# Altium PCB radioboard.PcbDoc (part 9 of 9)
Units mm, origin at the board's own origin, x right, y up, seen from the top; angles counter-clockwise.
Board outline 69.97 x 64.48 mm, 4 copper layers (Top Layer, Signal Layer 1, Signal Layer 2, Bottom Layer), stack 1.56 mm thick; 258 components, 165 nets, 993 pads, 10021 vias.
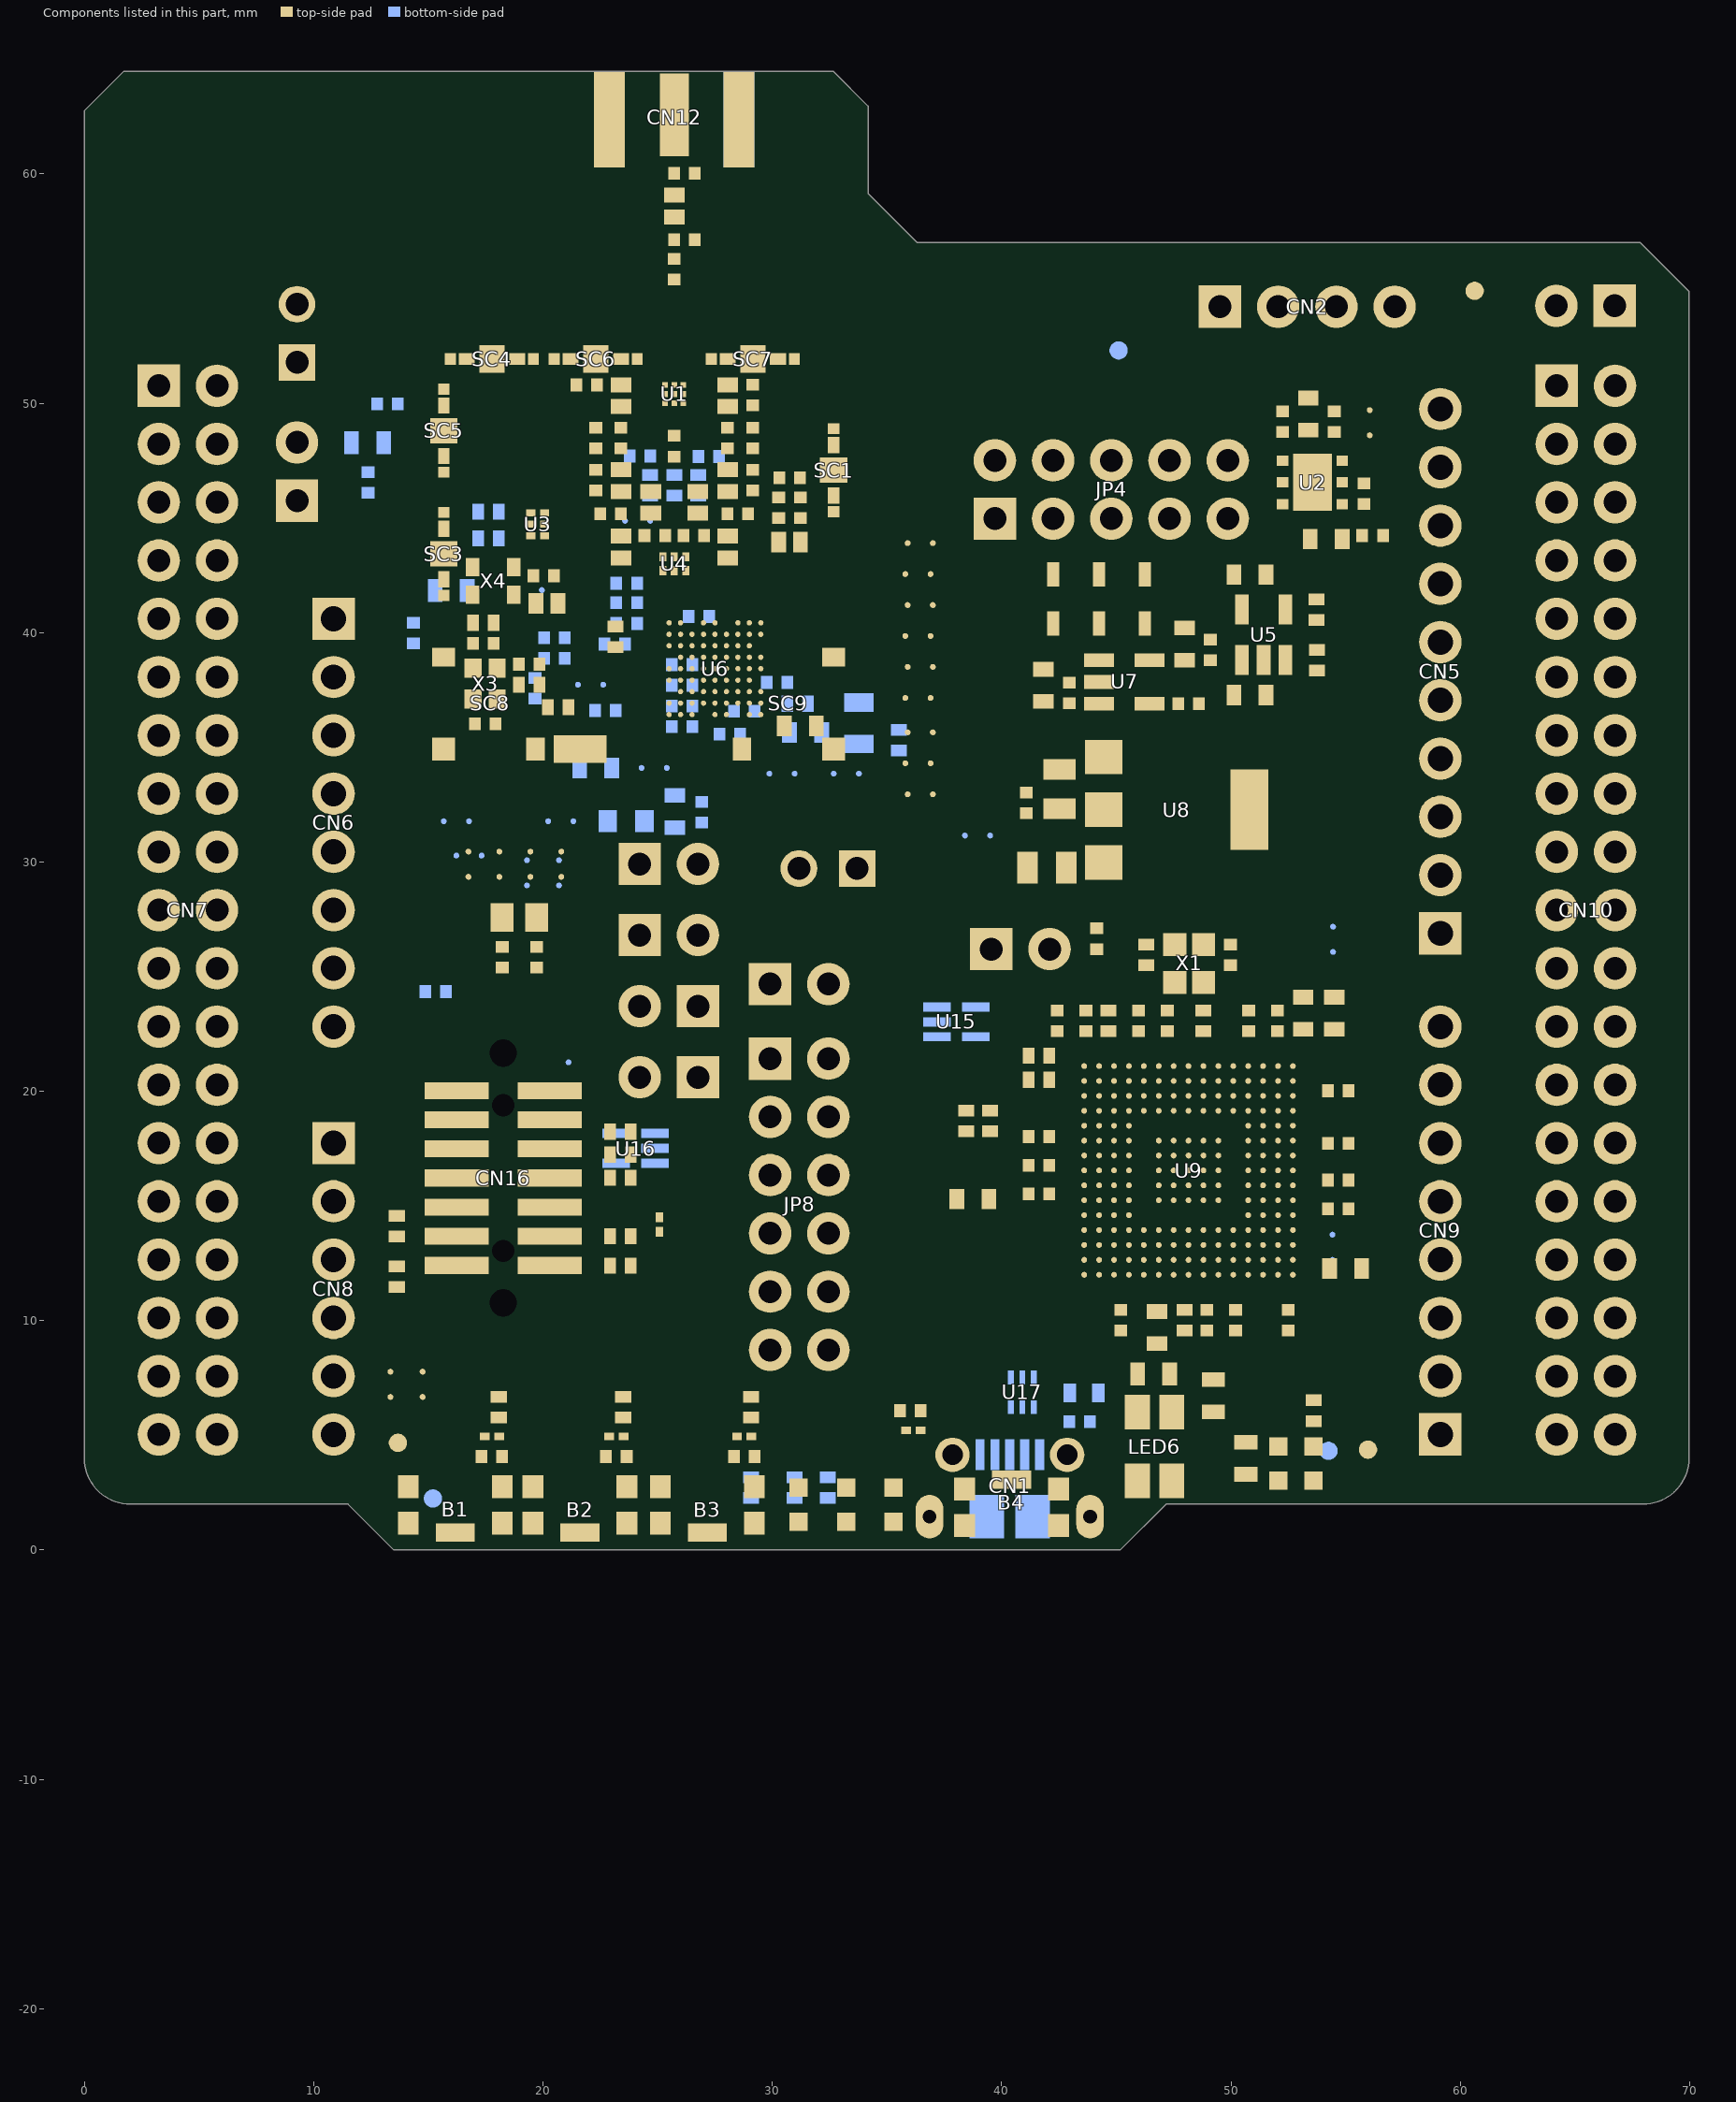
[diagram p11: the components of this part, seen from the top]

## Silkscreen, mask and mechanical layers (free items; w line width, h text height) (continued)
Bottom Overlay:
  drawing of 406 lines, arcs and shapes, not listed
  text "VLXSMPS" at 12.475,57.375 h1.5
  text "CN13" at 10.85,56.025 h1.5
  text "1" at 68.875,53.617 h2
  text "1" at 47.875,53.567 h2
  text "CN4" at 61.275,52.525 h2 r270
  text "GND" at 59.75,52.4 h2 r270
  text "CN2" at 55.025,51.3 h2
  text "1" at 7.9,51.017 h2
  text "1" at 1.98,50.227 h2
  text "2" at 68.93,50.127 h2
  text "JP4" at 46.1,49.2 h2
  text "10" at 62.201,49.059 h2
  text "3" at 1.98,47.687 h2
  text "4" at 68.93,47.587 h2
  text "9" at 61.312,46.519 h2
  text "5" at 1.98,45.147 h2
  text "6" at 68.93,45.047 h2
  text "1" at 8,45.017 h2
  text "8" at 61.312,43.979 h2
  text "I" at 56.9,43.875 h11
  text "1" at 38.425,43.679 h2
  text "JP3" at 11.05,43.2 h1.5
  text "7" at 1.98,42.607 h2
  text "8" at 68.93,42.507 h2
  text "5V_SEL" at 47.95,42.125 h2
  text "7" at 61.312,41.439 h2
  text "9" at 1.98,40.067 h2
  text "1" at 9.6,40.067 h2
  text "10" at 69.692,39.967 h2
  text "IDD_RF" at 7.675,39.5 h1.5 r270
  text "6" at 61.312,38.899 h2
  text "F" at 37.275,38.7 h11
  text "11" at 1.98,37.527 h2
  text "2" at 9.6,37.527 h2
  text "12" at 69.692,37.427 h2
  text "5" at 61.312,36.359 h2
  text "G" at 54.45,36.113 h11
  text "C" at 45.25,35.675 h11
  text "13" at 1.98,34.987 h2
  text "3" at 9.6,34.987 h2
  text "PB0_VDD_TCXO" at 22.3,35 h1.3
  text "14" at 69.692,34.887 h2
  text "CN5" at 56.4,34.15 h2 r270
  text "4" at 61.312,33.819 h2
  text "VDDRF1V55" at 41.325,33.425 h1.3
  text "15" at 1.98,32.447 h2
  text "4" at 9.6,32.447 h2
  text "16" at 69.692,32.347 h2
  text "VDDRF" at 33,31.35 h1.3
  text "3" at 61.312,31.279 h2
  text "17" at 1.98,29.907 h2
  text "5" at 9.6,29.907 h2
  text "18" at 69.692,29.807 h2
  text "CN6" at 12.325,29.7 h2 r270
  text "1" at 22.675,29.1 h2
  text "1" at 35.85,29.092 h2
  text "JP6" at 42.375,28.95 h2
  text "2" at 61.312,28.739 h2
  text "JP5" at 28.35,28.637 h1.5 r270
  text "CN11" at 36,28.1 h1.5 r270
  text "STLK_RST" at 43.75,27.9 h1.3
  text "19" at 1.98,27.367 h2
  text "6" at 9.6,27.367 h2
  text "20" at 69.819,27.267 h2
  text "ALONE" at 34.75,27.113 h1.5
  text "JP2" at 28.375,26.213 h1.5 r270
  text "1" at 60.931,26.199 h2
  text "1" at 29.925,26.15 h2
  text "1" at 22.687,26.025 h2
  text "1" at 38,25.542 h2
  text "21" at 1.98,24.827 h2
  text "7" at 9.6,24.827 h2
  text "22" at 69.819,24.727 h2
  text "JP7" at 34.175,23.175 h2 r270
  text "1" at 28.537,23.062 h2
  text "CN16" at 20.725,22.825 h2
  text "JP1" at 21.7,22.725 h1.5 r270
  text "23" at 1.98,22.287 h2
  text "8" at 9.6,22.287 h2
  text "24" at 69.819,22.187 h2
  text "8" at 61.312,22.135 h2
  text "1" at 28.887,20.837 h2
  text "25" at 1.98,19.747 h2
  text "JP9" at 21.763,19.675 h1.5 r270
  text "26" at 69.819,19.647 h2
  text "7" at 61.312,19.595 h2
  text "1" at 15.65,19.4 h2
  text "2" at 21.775,17.862 h2
  text "27" at 1.98,17.207 h2
  text "1" at 9.6,17.207 h2
  text "28" at 69.819,17.107 h2
  text "6" at 61.312,17.055 h2
  text "DEBUG" at 20.55,15.687 h1.5
  text "29" at 1.98,14.667 h2
  text "2" at 9.6,14.667 h2
  text "30" at 69.819,14.567 h2
  text "5" at 61.312,14.515 h2
  text "JP8" at 26.975,13.625 h2 r270
  text "CN9" at 56.325,12.2 h2 r270
  text "31" at 1.98,12.127 h2
  text "3" at 9.6,12.127 h2
  text "32" at 69.819,12.027 h2
  text "4" at 61.312,11.975 h2
  text "13" at 15.725,11.825 h2
  text "14" at 22.575,11.825 h2
  text "CN8" at 12.4,9.625 h2 r270
  text "33" at 1.98,9.587 h2
  text "4" at 9.6,9.587 h2
  text "34" at 69.819,9.487 h2
  text "3" at 61.312,9.435 h2
  text "35" at 1.98,7.047 h2
  text "5" at 9.6,7.047 h2
  text "36" at 69.819,6.947 h2
  text "2" at 61.312,6.895 h2
  text "USB STLK" at 39.525,5.3 h1.3
  text "37" at 1.98,4.507 h2
  text "6" at 9.6,4.507 h2
  text "38" at 69.819,4.407 h2
  text "1" at 60.931,4.355 h2
  text "E" at 53.787,3.313 h13
  text "CN7" at 6.175,2.325 h2
  text "CN10" at 67.675,2.325 h2
  text "H" at 24.587,2.3 h15
Top Paste:
  region: 33.175,34.425 33.175,36.525 32.325,36.525 32.325,35.5 32.1,35.275 31.075,35.275 31.075,34.425
  region: 32.15,36.4 32.15,35.575 32.025,35.45 31.575,35.45 31.575,36.4
Top Solder:
  rectangle: 1.545,59.365 9.545,61.865
  region: 32.275,36.575 33.225,36.575 33.225,34.375 31.025,34.375 31.025,35.325 32.1,35.325 32.275,35.5
  region: 32.05,35.425 32.175,35.55 32.175,36.425 31.55,36.425 31.55,35.425
Bottom Solder:
  rectangle: 1.545,59.365 9.545,61.865
M1-Board Shape:
  lines w0.1: 0,4 ccw(c2,4) 2,2 11.498,2 13.498,0 45.17,0 47.17,2 67.972,2 ccw(c67.972,4) 69.972,4 69.972,54.877 67.848,57 36.316,57 34.174,59.143 34.174,62.953 32.65,64.477 1.723,64.477 0,62.751 0,4
M5-Top Constraints:
  drawing of 226 lines, arcs and shapes, not listed
  text "IMPEDANCE TABLE    SoC Rx inputs (RFI_N & RFI_P)" at 84.139,123.644 h3
  text "LAYER" at 89.125,118.65 h3
  text "LAYER" at 109.625,118.65 h3
  text "TRACE" at 130.125,118.65 h3
  text "IMPEDANCE" at 241.939,118.669 h3
  text "IMPEDANCE" at 258.939,118.669 h3
  text "TOL." at 277.689,118.636 h3
  text "NET" at 152.275,118.525 h3
  text "SPACING" at 171.775,118.525 h3
  text "SPACING" at 197.025,118.525 h3
  text "SPACING" at 222.3,118.525 h3
  text "(Single ended)" at 242.439,115.919 h2.5
  text "(Differential)" at 260.189,115.919 h2.5
  text "\"GND mm\"" at 221.775,115.675 h3
  text "\"Ref GND\"" at 107.475,115.625 h3
  text "\"Width mm\"" at 127.975,115.625 h3
  text "\"Others Net mm\"" at 193.35,115.6 h3
  text "\"Routing\"" at 87.7,115.525 h3
  text "\"Intra Diff. Pair mm\"" at 166.375,115.525 h3
  text "\"Lenght mm\"" at 147.35,115.35 h3
  text "L2 (Sig_Lay1)" at 105.7,112.375 h3
  text "L1 (Top_Lay)" at 85.75,112.325 h3
  text "+/- 10%" at 276.244,112.279 h3
  text "0.323" at 174.6,112.225 h3
  text "0.323 Min." at 197.15,112.225 h3
  text "Minimum" at 150.075,112.2 h3
  text "0.646 Min. Or Less" at 217.35,112.175 h3
  text "n/a" at 247.969,112.179 h3
  text "0.097" at 130.75,112.125 h3
  text "100 Ohms" at 260.875,112.125 h3
  text "IMPEDANCE TABLE    SoC Tx outputs (L12_1 & L19_1)" at 84.139,106.394 h3
  text "LAYER" at 89.125,101.4 h3
  text "LAYER" at 109.625,101.4 h3
  text "TRACE" at 130.125,101.4 h3
  text "IMPEDANCE" at 241.939,101.419 h3
  text "IMPEDANCE" at 258.939,101.419 h3
  text "TOL." at 277.689,101.386 h3
  text "NET" at 152.275,101.275 h3
  text "SPACING" at 171.775,101.275 h3
  text "SPACING" at 197.025,101.275 h3
  text "SPACING" at 222.3,101.275 h3
  text "(Single ended)" at 242.439,98.669 h2.5
  text "(Differential)" at 260.189,98.669 h2.5
  text "\"GND mm\"" at 221.775,98.425 h3
  text "\"Ref GND\"" at 107.475,98.375 h3
  text "\"Width mm\"" at 127.975,98.375 h3
  text "\"Others Net mm\"" at 193.35,98.35 h3
  text "\"Routing\"" at 87.7,98.275 h3
  text "\"Intra Diff. Pair mm\"" at 166.375,98.275 h3
  text "\"Lenght mm\"" at 147.35,98.1 h3
  text "L2 (Sig_Lay1)" at 105.7,95.125 h3
  text "L1 (Top_Lay)" at 85.75,95.075 h3
  text "0.152 Min." at 197.15,94.975 h3
  text "n/a" at 175.95,94.925 h3
  text "Minimum" at 149.85,94.9 h3
  text "n/a" at 264.85,94.9 h3
  text "0.210" at 130.75,94.875 h3
  text "Lowest" at 245.175,94.875 h3
  text "n/a" at 278.7,94.875 h3
  text "0.152 Min." at 222.2,94.825 h3
  text "IMPEDANCE TABLE    TX path (C110_2 & C113_2  & C130_2 & C133_2)" at 84.139,89.144 h3
  text "IMPEDANCE" at 241.939,84.169 h3
  text "IMPEDANCE" at 258.939,84.169 h3
  text "LAYER" at 89.125,84.15 h3
  text "LAYER" at 109.625,84.15 h3
  text "TRACE" at 130.125,84.15 h3
  text "TOL." at 277.689,84.136 h3
  text "NET" at 152.275,84.025 h3
  text "SPACING" at 171.775,84.025 h3
  text "SPACING" at 197.025,84.025 h3
  text "SPACING" at 222.3,84.025 h3
  text "(Single ended)" at 242.439,81.419 h2.5
  text "(Differential)" at 260.189,81.419 h2.5
  text "\"GND mm\"" at 221.775,81.175 h3
  text "\"Ref GND\"" at 107.475,81.125 h3
  text "\"Width mm\"" at 127.975,81.125 h3
  text "\"Others Net mm\"" at 193.35,81.1 h3
  text "\"Routing\"" at 87.7,81.025 h3
  text "\"Intra Diff. Pair mm\"" at 166.375,81.025 h3
  text "\"Lenght mm\"" at 147.35,80.85 h3
  text "L2 (Sig_Lay1)" at 105.7,77.875 h3
  text "L1 (Top_Lay)" at 85.75,77.825 h3
  text "0.152 Min." at 197.15,77.725 h3
  text "n/a" at 175.95,77.675 h3
  text "Minimum" at 149.85,77.65 h3
  text "n/a" at 264.85,77.65 h3
  text "0.550" at 130.75,77.625 h3
  text "Lowest" at 245.175,77.625 h3
  text "n/a" at 278.7,77.625 h3
  text "0.152 Min." at 222.2,77.575 h3
  text "IMPEDANCE TABLE    TX path before SP3T (C114_2 & C134_2)" at 84.139,71.894 h3
  text "IMPEDANCE" at 241.939,66.919 h3
  text "IMPEDANCE" at 258.939,66.919 h3
  text "LAYER" at 89.125,66.9 h3
  text "LAYER" at 109.625,66.9 h3
  text "TRACE" at 130.125,66.9 h3
  text "TOL." at 277.689,66.886 h3
  text "NET" at 152.275,66.775 h3
  text "SPACING" at 171.775,66.775 h3
  text "SPACING" at 197.025,66.775 h3
  text "SPACING" at 222.3,66.775 h3
  text "(Single ended)" at 242.439,64.169 h2.5
  text "(Differential)" at 260.189,64.169 h2.5
  text "\"GND mm\"" at 221.775,63.925 h3
  text "\"Ref GND\"" at 107.475,63.875 h3
  text "\"Width mm\"" at 127.975,63.875 h3
  text "\"Others Net mm\"" at 193.35,63.85 h3
  text "\"Routing\"" at 87.7,63.775 h3
  text "\"Intra Diff. Pair mm\"" at 166.375,63.775 h3
  text "\"Lenght mm\"" at 147.35,63.6 h3
  text "L2 (Sig_Lay1)" at 105.7,60.625 h3
  text "L1 (Top_Lay)" at 85.75,60.575 h3
  text "0.152 Min." at 197.15,60.475 h3
  text "n/a" at 175.95,60.425 h3
  text "Minimum" at 149.85,60.4 h3
  text "n/a" at 264.85,60.4 h3
  text "+/- 10%" at 276.125,60.4 h3
  text "0.110 / 0.550" at 126.8,60.375 h3
  text "50 Ohms" at 243.8,60.375 h3
  text "0.152 Min." at 222.2,60.325 h3
  text "IMPEDANCE TABLE    RF path before SP3T (C105_2 & C105_1 & C107_1 & C135_1 & C137_1)" at 84.139,54.644 h3
  text "IMPEDANCE" at 241.939,49.669 h3
  text "IMPEDANCE" at 258.939,49.669 h3
  text "LAYER" at 89.125,49.65 h3
  text "LAYER" at 109.625,49.65 h3
  text "TRACE" at 130.125,49.65 h3
  text "TOL." at 277.689,49.636 h3
  text "NET" at 152.275,49.525 h3
  text "SPACING" at 171.775,49.525 h3
  text "SPACING" at 197.025,49.525 h3
  text "SPACING" at 222.3,49.525 h3
  text "(Single ended)" at 242.439,46.919 h2.5
  text "(Differential)" at 260.189,46.919 h2.5
  text "\"GND mm\"" at 221.775,46.675 h3
  text "\"Ref GND\"" at 107.475,46.625 h3
  text "\"Width mm\"" at 127.975,46.625 h3
  text "\"Others Net mm\"" at 193.35,46.6 h3
  text "\"Routing\"" at 87.7,46.525 h3
  text "\"Intra Diff. Pair mm\"" at 166.375,46.525 h3
  text "\"Lenght mm\"" at 147.35,46.35 h3
  text "L3 (Sig_Lay2)" at 105.7,43.375 h3
  text "L1 (Top_Lay)" at 85.75,43.325 h3
  text "0.145 Min." at 197.15,43.225 h3
  text "0.500" at 130.85,43.2 h3
  text "n/a" at 175.95,43.175 h3
  text "Minimum" at 149.85,43.15 h3
  text "n/a" at 264.85,43.15 h3
  text "+/- 10%" at 276.125,43.15 h3
  text "50 Ohms" at 243.8,43.125 h3
  text "0.145 Min." at 222.2,43.075 h3
  text "IMPEDANCE TABLE    RX path (C116_2)" at 84.139,37.394 h3
  text "IMPEDANCE" at 241.939,32.419 h3
  text "IMPEDANCE" at 258.939,32.419 h3
  text "LAYER" at 89.125,32.4 h3
  text "LAYER" at 109.625,32.4 h3
  text "TRACE" at 130.125,32.4 h3
  text "TOL." at 277.689,32.386 h3
  text "NET" at 152.275,32.275 h3
  text "SPACING" at 171.775,32.275 h3
  text "SPACING" at 197.025,32.275 h3
  text "SPACING" at 222.3,32.275 h3
  text "(Single ended)" at 242.439,29.669 h2.5
  text "(Differential)" at 260.189,29.669 h2.5
  text "\"GND mm\"" at 221.775,29.425 h3
  text "\"Ref GND\"" at 107.475,29.375 h3
  text "\"Width mm\"" at 127.975,29.375 h3
  text "\"Others Net mm\"" at 193.35,29.35 h3
  text "\"Routing\"" at 87.7,29.275 h3
  text "\"Intra Diff. Pair mm\"" at 166.375,29.275 h3
  text "\"Lenght mm\"" at 147.35,29.1 h3
  text "L1 (Top_Lay)" at 85.925,25.85 h3
  text "L2 (Sig_Lay1)" at 105.75,25.8 h3
  text "0.110" at 130.725,25.775 h3
  text "50 Ohms" at 244.775,25.725 h3
  text "+/- 10%" at 276.219,25.704 h3
  text "0.152 Min." at 197.125,25.65 h3
  text "0.152 Min." at 222.675,25.625 h3
  text "n/a" at 264.9,25.575 h3
  text "Minimum" at 150.45,25.55 h3
  text "n/a" at 175.725,25.525 h3
  text "L2 (Sig_Lay1)" at 85.875,22.2 h3
  text "L1 (Top_Lay)" at 106.2,22.175 h3
  text "50 Ohms" at 244.775,22.075 h3
  text "+/- 10%" at 276.219,22.054 h3
  text "0.100" at 130.725,22.025 h3
  text "0.152 Min." at 197.125,22 h3
  text "0.152 Min." at 222.675,21.975 h3
  text "n/a" at 264.9,21.925 h3
  text "Minimum" at 150.45,21.9 h3
  text "n/a" at 175.725,21.875 h3
  text "IMPEDANCE TABLE    USB  (USB_DEV_HS_CN & USB_DEV_HS )" at 84.114,16.244 h3
  text "IMPEDANCE" at 241.914,11.269 h3
  text "IMPEDANCE" at 258.914,11.269 h3
  text "LAYER" at 89.1,11.25 h3
  text "LAYER" at 109.6,11.25 h3
  text "TRACE" at 130.1,11.25 h3
  text "TOL." at 277.664,11.236 h3
  text "NET" at 152.25,11.125 h3
  text "SPACING" at 171.75,11.125 h3
  text "SPACING" at 197,11.125 h3
  text "SPACING" at 222.275,11.125 h3
  text "(Single ended)" at 242.414,8.519 h2.5
  text "(Differential)" at 260.164,8.519 h2.5
  text "\"GND mm\"" at 221.75,8.275 h3
  text "\"Ref GND\"" at 107.45,8.225 h3
  text "\"Width mm\"" at 127.95,8.225 h3
  text "\"Others Net mm\"" at 193.325,8.2 h3
  text "\"Routing\"" at 87.675,8.125 h3
  text "\"Intra Diff. Pair mm\"" at 166.35,8.125 h3
  text "\"Lenght mm\"" at 147.325,7.95 h3
  text "L1 (Top_Lay)" at 85.9,4.7 h3
  text "L2 (Sig_Lay1)" at 105.725,4.65 h3
  text "0.124" at 130.7,4.625 h3
  text "90 Ohms" at 261.375,4.55 h3
  text "+/- 10%" at 276.194,4.554 h3
  text "0.262 Min." at 197.1,4.5 h3
  text "0.524 Min." at 222.65,4.475 h3
  text "n/a" at 247.8,4.425 h3
  text "Minimum" at 150.425,4.4 h3
  text "0.262" at 175,4.4 h3
  text "L4 (Bot_Lay)" at 85.85,1.05 h3
  text "L3 (Sig_Lay2)" at 105.7,0.95 h3
  text "+/- 10%" at 276.194,0.904 h3
  text "0.124" at 130.7,0.875 h3
  text "90 Ohms" at 261.425,0.875 h3
  text "0.262 Min." at 197.1,0.85 h3
  text "0.524 Min." at 222.65,0.825 h3
  text "n/a" at 247.8,0.775 h3
  text "Minimum" at 150.425,0.75 h3
  text "0.262" at 175,0.75 h3
Drill Drawing:
  drawing of 410 lines, arcs and shapes, not listed
  text "THE COMPONENTS WITH PLATED THROUGH HOLE (PTH) MAY BE WELDED (CABLED) IN \"PIN-IN-PASTE\" MODE (IF NECESSARY) / \"\"BOTTOM PASTE\"\"" at -13.512,138.95 h5
  text "Layer" at 171.87,129.575 h2.5
  text "Name" at 182.336,129.575 h2.5
  text "Material" at 202.578,129.575 h2.5
  text "Thickness" at 221.788,129.575 h2.5
  text "Constant" at 236.728,129.575 h2.5
  text "Board Layer Stack" at 250.556,129.575 h2.5
  text "PCB SPECIFICATIONS :" at -28.676,127.791 h3
  text "1" at 171.87,124.575 h2.5
  text "Top Overlay" at 182.336,124.575 h2.5
  text "A.   MATERIAL :" at -28.676,123.791 h3
  text "FR-4" at 9.824,123.791 h3
  text "TG-170" at 26.324,123.791 h3
  text "X  TG-150" at 44.574,123.791 h3
  text "TG-140" at 60.574,123.791 h3
  text "PCB : TYPE 3" at 125.523,121.959 h3
  text "B.   MATERIAL FAMILY :" at -28.676,120.791 h3
  text "N/A" at 9.824,120.791 h3
  text "2" at 171.87,119.575 h2.5
  text "Top Solder" at 182.336,119.575 h2.5
  text "Solder Resist" at 202.578,119.575 h2.5
  text "0,020mm" at 221.788,119.575 h2.5
  text "3,5" at 236.728,119.575 h2.5
  text "C.   SOLDERMASK COLOR :" at -28.676,117.791 h3
  text "GREEN" at 9.824,117.791 h3
  text "X  WHITE" at 26.324,117.791 h3
  text "RED" at 44.574,117.791 h3
  text "BLACK" at 60.574,117.791 h3
  text "ASPECT-RATIO, AXE Z :" at 125.523,116.459 h3
  text "D.   SILKSCREEN COLOR :" at -28.676,114.791 h3
  text "WHITE" at 9.824,114.791 h3
  text "YELLOW" at 26.324,114.791 h3
  text "BLACK" at 44.574,114.791 h3
  text "X  Blue ink PANTONE 2955" at 60.574,114.791 h3
  text "3" at 171.87,114.575 h2.5
  text "Top Layer" at 182.336,114.575 h2.5
  text "Copper" at 202.578,114.575 h2.5
  text "0,035mm" at 221.788,114.575 h2.5
  text "E.   SURFACE FINISH :" at -28.676,111.791 h3
  text "X  ENIG" at 9.824,111.791 h3
  text "IMMERSION SILVER" at 26.324,111.791 h3
  text "IMMERSION TIN" at 60.574,111.791 h3
  text "6:1 to 8:1 / LEVEL \"B\"" at 125.541,109.712 h3
  text "4" at 171.87,109.575 h2.5
  text "Dielectric 1" at 182.336,109.575 h2.5
  text "1080HR RC68" at 202.578,109.575 h2.5
  text "0,076mm" at 221.788,109.575 h2.5
  text "4,18" at 236.728,109.575 h2.5
  text "HASL" at 9.824,108.791 h3
  text "HASL (PB-FREE)" at 26.324,108.791 h3
  text "GOLDEN FINGER" at 60.574,108.791 h3
  text "F.   IMPEDANCE CONTROL :" at -28.676,105.791 h3
  text "NO" at 9.824,105.791 h3
  text "X  YES  (SEE IMPEDANCE TABLE FOR DETAIL INFORMATION)" at 26.324,105.791 h3
  text "5" at 171.87,104.575 h2.5
  text "Signal Layer 1" at 182.336,104.575 h2.5
  text "Copper" at 202.578,104.575 h2.5
  text "0,035mm" at 221.788,104.575 h2.5
  text "G.   THROUGH VIA :" at -28.676,102.791 h3
  text "PLUG THE VIAS WHICH ARE COVERED WITH SOLDERMASK ONE OR TWO SIDE." at 9.824,102.791 h3
  text "PLUG MATERIAL :" at 9.824,99.791 h3
  text "X  SOLDERMASK" at 35.324,99.791 h3
  text "NON-CONDUCTIVE EPOXY." at 60.574,99.791 h3
  text "6" at 171.87,99.575 h2.5
  text "Dielectric 2" at 182.336,99.575 h2.5
  text "7 x 7628" at 202.578,99.575 h2.5
  text "1,268mm" at 221.788,99.575 h2.5
  text "4,74" at 236.728,99.575 h2.5
  text "MINIMUM PARAMETERS" at 125.738,98.1 h3
  text "H.   STACK-UP :" at -28.676,96.791 h3
  text "SEE LAYER STACK-UP SEQUENCE FOR OVERALL THICKNESS." at 9.824,96.791 h3
  text "7" at 171.87,94.575 h2.5
  text "Signal Layer 2" at 182.336,94.575 h2.5
  text "Copper" at 202.578,94.575 h2.5
  text "0,035mm" at 221.788,94.575 h2.5
  text "DEFAULT" at 121.606,92.348 h3
  text "8" at 171.87,89.575 h2.5
  text "Dielectric 3" at 182.336,89.575 h2.5
  text "1080HR RC68" at 202.578,89.575 h2.5
  text "0,076mm" at 221.788,89.575 h2.5
  text "4,18" at 236.728,89.575 h2.5
  text "TRACKS : 0.120mm           / GAPS : 0.120mm" at 121.606,86.598 h3
  text "9" at 171.87,84.575 h2.5
  text "Bottom Layer" at 182.336,84.575 h2.5
  text "Copper" at 202.578,84.575 h2.5
  text "0,035mm" at 221.788,84.575 h2.5
  text "EXCEPT BGA PITCH 0.5MM U13" at 121.881,80.598 h3
  text "10" at 171.87,79.575 h2.5
  text "Bottom Solder" at 182.336,79.575 h2.5
  text "Solder Resist" at 202.578,79.575 h2.5
  text "0,020mm" at 221.788,79.575 h2.5
  text "3,5" at 236.728,79.575 h2.5
  text "TRACKS : 0.090mm           / GAPS : 0.090mm" at 121.881,74.848 h3
  text "11" at 171.87,74.575 h2.5
  text "Bottom Overlay" at 182.336,74.575 h2.5
  text "Symbol" at 94.361,64.162 h3
  text "Count" at 106.112,64.162 h3
  text "Hole Size" at 119.398,64.162 h3
  text "Plated" at 142.238,64.162 h3
  text "Hole Type" at 152.554,64.162 h3
  text "Drill Layer Pair" at 167.573,64.162 h3
  text "Via/Pad" at 196.04,64.162 h3
  text "Pad Shape" at 208.347,64.162 h3
  text "Hole Length" at 224.424,64.162 h3
  text "Routed Path Length" at 247.113,64.162 h3
  text "2" at 106.112,58.985 h2.5
  text "0,600mm (23,62mil)" at 119.398,58.985 h2.5
  text "PTH" at 142.238,58.985 h2.5
  text "Slot" at 152.554,58.985 h2.5
  text "Top Layer - Bottom Layer" at 167.573,58.985 h2.5
  text "Pad" at 196.04,58.985 h2.5
  text "Rounded" at 208.347,58.985 h2.5
  text "1,300mm (51,18mil)" at 224.424,58.985 h2.5
  text "0,700mm (27,56mil)" at 247.113,58.985 h2.5
  text "2" at 106.112,53.807 h2.5
  text "0,900mm (35,43mil)" at 119.398,53.807 h2.5
  text "PTH" at 142.238,53.807 h2.5
  text "Round" at 152.554,53.807 h2.5
  text "Top Layer - Bottom Layer" at 167.573,53.807 h2.5
  text "Pad" at 196.04,53.807 h2.5
  text "Rounded" at 208.347,53.807 h2.5
  text "-" at 224.424,53.807 h2.5
  text "-" at 247.113,53.807 h2.5
  text "2" at 106.112,48.63 h2.5
  text "0,970mm (38,19mil)" at 119.398,48.63 h2.5
  text "NPTH" at 142.238,48.63 h2.5
  text "Round" at 152.554,48.63 h2.5
  text "Top Layer - Bottom Layer" at 167.573,48.63 h2.5
  text "Pad" at 196.04,48.63 h2.5
  text "Rounded" at 208.347,48.63 h2.5
  text "-" at 224.424,48.63 h2.5
  text "-" at 247.113,48.63 h2.5
  text "2" at 106.112,43.452 h2.5
  text "1,190mm (46,85mil)" at 119.398,43.452 h2.5
  text "NPTH" at 142.238,43.452 h2.5
  text "Round" at 152.554,43.452 h2.5
  text "Top Layer - Bottom Layer" at 167.573,43.452 h2.5
  text "Pad" at 196.04,43.452 h2.5
  text "Rounded" at 208.347,43.452 h2.5
  text "-" at 224.424,43.452 h2.5
  text "-" at 247.113,43.452 h2.5
  text "32" at 106.112,38.275 h2.5
  text "1,100mm (43,31mil)" at 119.398,38.275 h2.5
  text "PTH" at 142.238,38.275 h2.5
  text "Round" at 152.554,38.275 h2.5
  text "Top Layer - Bottom Layer" at 167.573,38.275 h2.5
  text "Pad" at 196.04,38.275 h2.5
  text "Rounded" at 208.347,38.275 h2.5
  text "-" at 224.424,38.275 h2.5
  text "-" at 247.113,38.275 h2.5
  text "122" at 106.112,33.098 h2.5
  text "1,000mm (39,37mil)" at 119.398,33.098 h2.5
  text "PTH" at 142.238,33.098 h2.5
  text "Round" at 152.554,33.098 h2.5
  text "Top Layer - Bottom Layer" at 167.573,33.098 h2.5
  text "Pad" at 196.04,33.098 h2.5
  text "(Mixed)" at 208.347,33.098 h2.5
  text "-" at 224.424,33.098 h2.5
  text "-" at 247.113,33.098 h2.5
  text "1295" at 106.112,27.92 h2.5
  text "0,200mm (7,87mil)" at 119.398,27.92 h2.5
  text "PTH" at 142.238,27.92 h2.5
  text "Round" at 152.554,27.92 h2.5
  text "Top Layer - Bottom Layer" at 167.573,27.92 h2.5
  text "Via" at 196.04,27.92 h2.5
  text "Rounded" at 208.347,27.92 h2.5
  text "-" at 224.424,27.92 h2.5
  text "-" at 247.113,27.92 h2.5
  text "1457 Total" at 106.112,22.743 h2.5
  text "Slot definitions :" at 94.361,19.118 h2.5
  text "Routed Path Length" at 111.422,19.118 h2.5
  text "= Calculated from tool start centre position to tool end centre position." at 132.558,19.118 h2.5
  text "Hole Length" at 111.422,17.048 h2.5
  text "= Routed Path Length + Tool Size = Slot length as defined in the PCB layout" at 124.711,17.048 h2.5
  text "Symbol" at 93.277,6.262 h3
  text "Count" at 105.029,6.262 h3
  text "Hole Size" at 118.532,6.262 h3
  text "Plated" at 140.127,6.262 h3
  text "Hole Type" at 150.443,6.262 h3
  text "Drill Layer Pair" at 165.462,6.262 h3
  text "Via/Pad" at 194.485,6.262 h3
  text "Pad Shape" at 206.792,6.262 h3
  text "4148" at 105.029,1.085 h2.5
  text "0,100mm (3,94mil)" at 118.532,1.085 h2.5
  text "PTH" at 140.127,1.085 h2.5
  text "Round" at 150.443,1.085 h2.5
  text "Top Layer - Signal Layer 1" at 165.462,1.085 h2.5
  text "Via" at 194.485,1.085 h2.5
  text "Rounded" at 206.792,1.085 h2.5
  text "4148 Total" at 105.029,-4.092 h2.5
  text "Symbol" at 93.19,-13.998 h3
  text "Count" at 104.942,-13.998 h3
  text "Hole Size" at 118.445,-13.998 h3
  text "Plated" at 140.039,-13.998 h3
  text "Hole Type" at 150.356,-13.998 h3
  text "Drill Layer Pair" at 165.375,-13.998 h3
  text "Via/Pad" at 198.026,-13.998 h3
  text "Pad Shape" at 210.333,-13.998 h3
  text "4578" at 104.942,-19.175 h2.5
  text "0,100mm (3,94mil)" at 118.445,-19.175 h2.5
  text "PTH" at 140.039,-19.175 h2.5
  text "Round" at 150.356,-19.175 h2.5
  text "Signal Layer 2 - Bottom Layer" at 165.375,-19.175 h2.5
  text "Via" at 198.026,-19.175 h2.5
  text "Rounded" at 210.333,-19.175 h2.5
  text "4578 Total" at 104.942,-24.352 h2.5

## Dimensions
0,62.751 to 69.972,54.877 on M2-Board Dimensions
45.17,0 to 67.848,57 on M2-Board Dimensions
45.17,0 to 32.65,64.477 on M2-Board Dimensions

## Text inside footprints (layer, text, board x,y; h text height)
B1: Top Overlay "1" at 14.606,0.085 h1.5 r90; M14-Top Assembly "1" at 14.162,0.85 h1; M14-Top Assembly "3" at 17.738,0.875 h1; M14-Top Assembly "2" at 14.212,2.45 h1; M14-Top Assembly "4" at 17.738,2.5 h1
B2: Top Overlay "1" at 20.031,0.089 h1.5 r90; M14-Top Assembly "1" at 19.65,0.875 h1; M14-Top Assembly "3" at 23.175,0.85 h1; M14-Top Assembly "2" at 19.625,2.475 h1; M14-Top Assembly "4" at 23.138,2.475 h1
B3: Top Overlay "1" at 25.593,0.076 h1.5 r90; M14-Top Assembly "1" at 25.2,0.863 h1; M14-Top Assembly "3" at 28.787,0.863 h1; M14-Top Assembly "2" at 25.312,2.438 h1; M14-Top Assembly "4" at 28.637,2.475 h1
B4: Top Overlay "1" at 43.15,2.425 h1.5; M14-Top Assembly "1" at 42.208,2.341 h1; M14-Top Assembly "3" at 38.433,2.341 h1; M14-Top Assembly "2" at 42.008,0.741 h1; M14-Top Assembly "4" at 38.433,0.741 h1
CN1: M15-Bottom Assembly "1" at 41.906,3.55 h1.5; M15-Bottom Assembly "5" at 39.356,3.55 h1.5; Bottom Overlay "1" at 44.856,3.625 h1.5; M8-Bottom Info "EDGE" at 36.006,-0.7 h1; M8-Bottom Info "PCB" at 46.606,-0.725 h1
CN2: Top Overlay "1" at 47.677,53.705 h1.5; M14-Top Assembly "1" at 49.327,53.705 h1.5; M14-Top Assembly "4" at 56.752,53.755 h1.5
CN4: Top Overlay "1" at 68.293,53.717 h1.5; M14-Top Assembly "1" at 66.65,53.75 h1.5
CN5: Top Overlay "1" at 57.315,26.398 h1.5; M14-Top Assembly "10" at 59.627,49.015 h1.5 r90; M14-Top Assembly "1" at 59.627,26.695 h1.5 r90
CN6: Top Overlay "1" at 12.35,40.063 h1.5; M14-Top Assembly "1" at 11.325,40.375 h1.5 r90; M14-Top Assembly "8" at 11.288,22.638 h1.5 r90
CN7: Top Overlay "1" at 1.35,50.25 h1.5; Top Overlay "2" at 7.187,50.163 h1.5; M14-Top Assembly "2" at 6.325,50.463 h1.5 r90; M14-Top Assembly "1" at 3.712,50.512 h1.5 r90; M14-Top Assembly "38" at 6.238,4.387 h1.5 r90; M14-Top Assembly "37" at 3.775,4.313 h1.5 r90
CN8: Top Overlay "1" at 12.271,17.254 h1.5; M14-Top Assembly "1" at 10.367,17.931 h1.5 r270; M14-Top Assembly "6" at 10.342,5.366 h1.5 r270
CN9: Top Overlay "1" at 57.331,4.536 h1.5; M14-Top Assembly "1" at 59.627,4.851 h1.5 r90; M14-Top Assembly "8" at 59.652,22.481 h1.5 r90
CN10: Top Overlay "1" at 62.362,51.325 h1.5; Top Overlay "2" at 68.263,50.35 h1.5; M14-Top Assembly "2" at 67.188,50.475 h1.5 r90; M14-Top Assembly "1" at 64.6,50.612 h1.5 r90; M14-Top Assembly "38" at 67.188,4.313 h1.5 r90; M14-Top Assembly "37" at 64.675,4.313 h1.5 r90
CN11: Top Overlay "1" at 35.28,29.24 h1.5; M14-Top Assembly "1" at 33.54,29.09 h1.5; M14-Top Assembly "2" at 30.755,29.115 h1.5
CN12: M14-Top Assembly "1" at 25.492,61.9 h1.5; M14-Top Assembly "3" at 22.705,61.937 h1.5; M14-Top Assembly "2" at 28.218,61.962 h1.5; M15-Bottom Assembly "5" at 28.855,61.937 h1.5; M15-Bottom Assembly "4" at 23.343,62.062 h1.5; M7-Top Info "PCB" at 32.15,64.35 h1 r180; M7-Top Info "EDGE" at 21.65,64.4 h1 r180
CN13: Top Overlay "1" at 7.425,51.587 h1.5; M14-Top Assembly "2" at 9.625,54.113 h1.5 r90; M14-Top Assembly "1" at 9.7,51.537 h1.5 r90
CN16: Top Overlay "14" at 20.925,10.7 h1.5; Top Overlay "13" at 14.35,10.7 h1.5; Top Overlay "2" at 20.9,20.9 h1.5; Top Overlay "1" at 15.238,20.775 h1.5; M14-Top Assembly "2" at 21.35,19.75 h1; M14-Top Assembly "14" at 21.312,12.013 h1; M14-Top Assembly "13" at 14.413,12.075 h1; M14-Top Assembly "1" at 15.025,19.85 h1
D1: M14-Top Assembly "K" at 42.587,39.8 h1.2 r90
D2: M14-Top Assembly "K" at 44.638,39.837 h1.2 r90
D3: M14-Top Assembly "K" at 46.613,39.8 h1.2 r90
JP1: Top Overlay "1" at 28.138,23.038 h1.5; M14-Top Assembly "1" at 26.588,23.275 h1.5
JP2: Top Overlay "1" at 22.425,27 h1.5; M14-Top Assembly "1" at 23.964,26.287 h1.5
JP3: Top Overlay "1" at 7.42,45.275 h1.5; M14-Top Assembly "1" at 9.8,45.495 h1.5 r90
JP4: Top Overlay "1" at 37.937,44.511 h1.5; Top Overlay "2" at 37.662,47.011 h1.5; M14-Top Assembly "9" at 49.602,44.511 h1.5; M14-Top Assembly "10" at 49.212,47.036 h1.5; M14-Top Assembly "2" at 39.337,47.011 h1.5; M14-Top Assembly "1" at 39.437,44.511 h1.5
JP5: Top Overlay "1" at 22.414,29.438 h1.5; M14-Top Assembly "1" at 23.964,29.388 h1.5
JP6: Top Overlay "1" at 37.745,25.725 h1.5; M14-Top Assembly "1" at 39.295,25.675 h1.5
JP7: Top Overlay "1" at 28.1,24.175 h1.5; M14-Top Assembly "1" at 29.65,24.15 h1.5
JP8: Top Overlay "1" at 30.338,22.875 h1.5 r90; Top Overlay "2" at 32.812,22.738 h1.5 r90; M14-Top Assembly "11" at 30.362,8.137 h1.5 r90; M14-Top Assembly "12" at 32.888,8.1 h1.5 r90; M14-Top Assembly "2" at 32.95,21.163 h1.5 r90; M14-Top Assembly "1" at 30.462,21.263 h1.5 r90
JP9: Top Overlay "1" at 28.125,20.075 h1.5; M14-Top Assembly "1" at 26.588,20.05 h1.5
LED1: M14-Top Assembly "K" at 31.4,0.663 h0.75 r90
LED2: M14-Top Assembly "K" at 33.475,0.675 h0.75 r90
LED3: M14-Top Assembly "K" at 35.525,0.637 h0.75 r90
LED4: M14-Top Assembly "K" at 52.316,4.671 h0.75 r90
LED5: M14-Top Assembly "K" at 53.863,2.488 h0.75 r90
LED6: Top Overlay "G" at 45.642,4.065 h1.5; Top Overlay "R" at 46.892,4.09 h1.5; M14-Top Assembly "C1" at 45.192,2.59 h0.75; M14-Top Assembly "A1" at 45.167,5.465 h0.75; M14-Top Assembly "G" at 45.642,4.065 h1.5; M14-Top Assembly "A2" at 46.617,2.615 h0.75; M14-Top Assembly "R" at 46.892,4.09 h1.5; M14-Top Assembly "C2" at 46.567,5.44 h0.75
SHEETBOX1: M20-Top Sheet Box "Project: '.Board_Name'" at -8.45,-9.641 h3; M20-Top Sheet Box "Layer:" at -8.45,-14.725 h3; M20-Top Sheet Box "Variant: '.VariantName'" at -8.45,-19.725 h3; M20-Top Sheet Box "Gerber:" at 31.539,-14.725 h3; M20-Top Sheet Box "Date: '.Board_Document_Date'" at -8.45,-24.725 h3; M20-Top Sheet Box "Ref: '.Board_Reference'" at 31.666,-19.725 h3; M20-Top Sheet Box "Rev: '.Board_PCB_Revision'" at 31.609,-24.725 h3; M20-Top Sheet Box "R" at 77.046,-22.208 h1.52; M21-Bottom Sheet Box "Gerber:" at 39.367,-14.725 h3; M21-Bottom Sheet Box "R" at -5.759,-22.208 h1.52; M21-Bottom Sheet Box "Ref: '.Board_Reference'" at 39.367,-19.725 h3; M21-Bottom Sheet Box "Rev: '.Board_PCB_Revision'" at 39.424,-24.725 h3; M21-Bottom Sheet Box "Project: '.Board_Name'" at 79.356,-9.641 h3; M21-Bottom Sheet Box "Variant: '.VariantName'" at 79.356,-19.725 h3; M21-Bottom Sheet Box "Layer:" at 79.356,-14.725 h3; M21-Bottom Sheet Box "Date: '.Board_Document_Date'" at 79.356,-24.725 h3
STICKER-1: M15-Bottom Assembly "Board ID sticker" at 45.213,14.475 h0.75 r270; Bottom Overlay "Board ID sticker" at 45.55,12.075 h1.5 r270; M8-Bottom Info "Sticker to mention board CPN code" at 45.75,11.525 h0.75 r270
STICKER-2: M15-Bottom Assembly "Product CPN sticker" at 49.937,17.437 h1.5 r270; Bottom Overlay "Product CPN sticker" at 50.275,17.575 h1.5 r270; M8-Bottom Info "Sticker to mention board CPN code" at 50.325,12.225 h1.5 r270
STICKER-3: M15-Bottom Assembly "Sticker" at 40.438,13.738 h0.75; M15-Bottom Assembly "Board ID QR" at 41.213,14.775 h0.75; Bottom Overlay "sticker" at 41.075,13.75 h1.4; Bottom Overlay "Board ID QR" at 42.862,15.687 h1.5; M8-Bottom Info "QR code" at 40.35,13.5 h0.75; M8-Bottom Info "8x8" at 39.6,11.75 h0.75; M8-Bottom Info "Sticker to mention" at 42.6,15.5 h1
U1: M14-Top Assembly "1" at 26.162,50.087 h0.25 r180; M14-Top Assembly "2" at 26.175,50.487 h0.25 r180; M14-Top Assembly "3" at 26.175,50.887 h0.25 r180; M14-Top Assembly "4" at 25.787,50.887 h0.25 r180; M14-Top Assembly "5" at 25.375,50.887 h0.25 r180; M14-Top Assembly "6" at 25.375,50.487 h0.25 r180; M14-Top Assembly "7" at 25.375,50.087 h0.25 r180; M14-Top Assembly "8" at 25.775,50.087 h0.25 r180; M14-Top Assembly "9" at 25.775,50.487 h0.25 r180
U2: Top Overlay "1" at 51.437,47.075 h1.5
U3: M14-Top Assembly "6" at 19.912,45.325 h0.5 r270; M14-Top Assembly "5" at 19.912,44.825 h0.5 r270; M14-Top Assembly "4" at 19.912,44.338 h0.5 r270; M14-Top Assembly "3" at 19.312,44.325 h0.5 r270; M14-Top Assembly "2" at 19.312,44.837 h0.5 r270; M14-Top Assembly "1" at 19.312,45.3 h0.5 r270
U4: M14-Top Assembly "6" at 26.325,42.863 h0.5 r180; M14-Top Assembly "5" at 25.825,42.863 h0.5 r180; M14-Top Assembly "4" at 25.338,42.863 h0.5 r180; M14-Top Assembly "3" at 25.325,43.463 h0.5 r180; M14-Top Assembly "2" at 25.837,43.463 h0.5 r180; M14-Top Assembly "1" at 26.3,43.463 h0.5 r180
U5: Top Overlay "1" at 49.65,37.9 h1.5
U6: M14-Top Assembly "H7" at 26.65,40.025 h0.3 r180; M14-Top Assembly "H4" at 28.15,40.025 h0.3 r180; M14-Top Assembly "B6" at 27.15,37.025 h0.3 r180; M14-Top Assembly "B3" at 28.65,37.025 h0.3 r180; M14-Top Assembly "F8" at 26.125,39.025 h0.3 r180; M14-Top Assembly "G2" at 29.15,39.525 h0.3 r180; M14-Top Assembly "D2" at 29.15,38.025 h0.3 r180; M14-Top Assembly "C8" at 26.15,37.525 h0.3 r180; M14-Top Assembly "G9" at 25.675,39.525 h0.3 r180; M14-Top Assembly "H9" at 25.65,40.025 h0.3 r180; M14-Top Assembly "D9" at 25.65,38.025 h0.3 r180; M14-Top Assembly "E9" at 25.65,38.525 h0.3 r180; M14-Top Assembly "B9" at 25.65,37.025 h0.3 r180; M14-Top Assembly "H1" at 29.65,40.025 h0.3 r180; M14-Top Assembly "E1" at 29.625,38.525 h0.3 r180; M14-Top Assembly "F1" at 29.625,39.025 h0.3 r180; M14-Top Assembly "C1" at 29.65,37.525 h0.3 r180; M14-Top Assembly "J8" at 26.125,40.525 h0.3 r180; M14-Top Assembly "J5" at 27.625,40.525 h0.3 r180; M14-Top Assembly "J6" at 27.125,40.525 h0.3 r180; M14-Top Assembly "J3" at 28.625,40.525 h0.3 r180; M14-Top Assembly "A7" at 26.65,36.525 h0.3 r180; M14-Top Assembly "A8" at 26.15,36.525 h0.3 r180; M14-Top Assembly "A4" at 28.15,36.525 h0.3 r180; M14-Top Assembly "A5" at 27.65,36.525 h0.3 r180; M14-Top Assembly "J9" at 25.625,40.525 h0.3 r180; M14-Top Assembly "J2" at 29.125,40.525 h0.3 r180; M14-Top Assembly "J1" at 29.625,40.525 h0.3 r180; M14-Top Assembly "B1" at 29.625,37.025 h0.3 r180; M14-Top Assembly "A9" at 25.65,36.525 h0.3 r180; M14-Top Assembly "A2" at 29.15,36.525 h0.3 r180; M14-Top Assembly "A1" at 29.65,36.525 h0.3 r180
U7: Top Overlay "1" at 43.3,39.575 h1.5 r270
U8: Top Overlay "1" at 45.462,35.575 h1.5 r90; M14-Top Assembly "3" at 45.287,29.7 h1.5 r90; M14-Top Assembly "2" at 45.25,31.95 h1.5 r90; M14-Top Assembly "1" at 45.25,34.338 h1.5 r90; M14-Top Assembly "4" at 50.738,31.888 h1.5 r90
U9: M14-Top Assembly "A1" at 52.55,21.45 h0.75 r270
U10: M14-Top Assembly "K" at 25.2,14.563 h0.45 r90
U11: M14-Top Assembly "K" at 36.562,5.075 h0.45
U12: M14-Top Assembly "K" at 18.175,4.812 h0.45
U13: M14-Top Assembly "K" at 23.587,4.8 h0.45
U14: M14-Top Assembly "K" at 29.175,4.8 h0.45
U17: M15-Bottom Assembly "1" at 40.325,7.625 h0.5 r180; M15-Bottom Assembly "2" at 40.8,7.625 h0.5 r180; M15-Bottom Assembly "3" at 41.3,7.625 h0.5 r180; M15-Bottom Assembly "4" at 41.29,6.442 h0.5 r180; M15-Bottom Assembly "5" at 40.8,6.45 h0.5 r180; M15-Bottom Assembly "6" at 40.3,6.45 h0.5 r180; Bottom Overlay "1" at 39.837,7.1 h1.3
U18: M15-Bottom Assembly "1" at 42.787,7.362 h0.75 r180; M15-Bottom Assembly "2" at 43.913,7.338 h0.75 r180
X1: M14-Top Assembly "1" at 47.813,26.263 h0.6 r90; M14-Top Assembly "2" at 47.787,24.675 h0.6 r90; M14-Top Assembly "3" at 48.9,24.687 h0.6 r90; M14-Top Assembly "4" at 48.925,26.237 h0.6 r90
X3: M14-Top Assembly "1" at 17.187,38.35 h0.5 r90; M14-Top Assembly "2" at 17.15,37.05 h0.5 r90; M14-Top Assembly "3" at 18.137,37.05 h0.5 r90; M14-Top Assembly "4" at 18.137,38.313 h0.5 r90
X4: M14-Top Assembly "4" at 18.5,41.588 h0.5; M14-Top Assembly "3" at 16.975,41.612 h0.5; M14-Top Assembly "2" at 17,42.575 h0.5; M14-Top Assembly "1" at 18.513,42.575 h0.5